# Altium PCB R2_EmberNet Pod Layout.PcbDoc (part 1 of 2)
Units mm, origin at the board's own origin, x right, y up, seen from the top; angles counter-clockwise.
Board outline 78.51 x 78.51 mm, 4 copper layers (Top Layer, Ground Layer, Power Layer, Bottom Layer), stack 0.844 mm thick; 158 components, 96 nets, 433 pads, 349 vias.
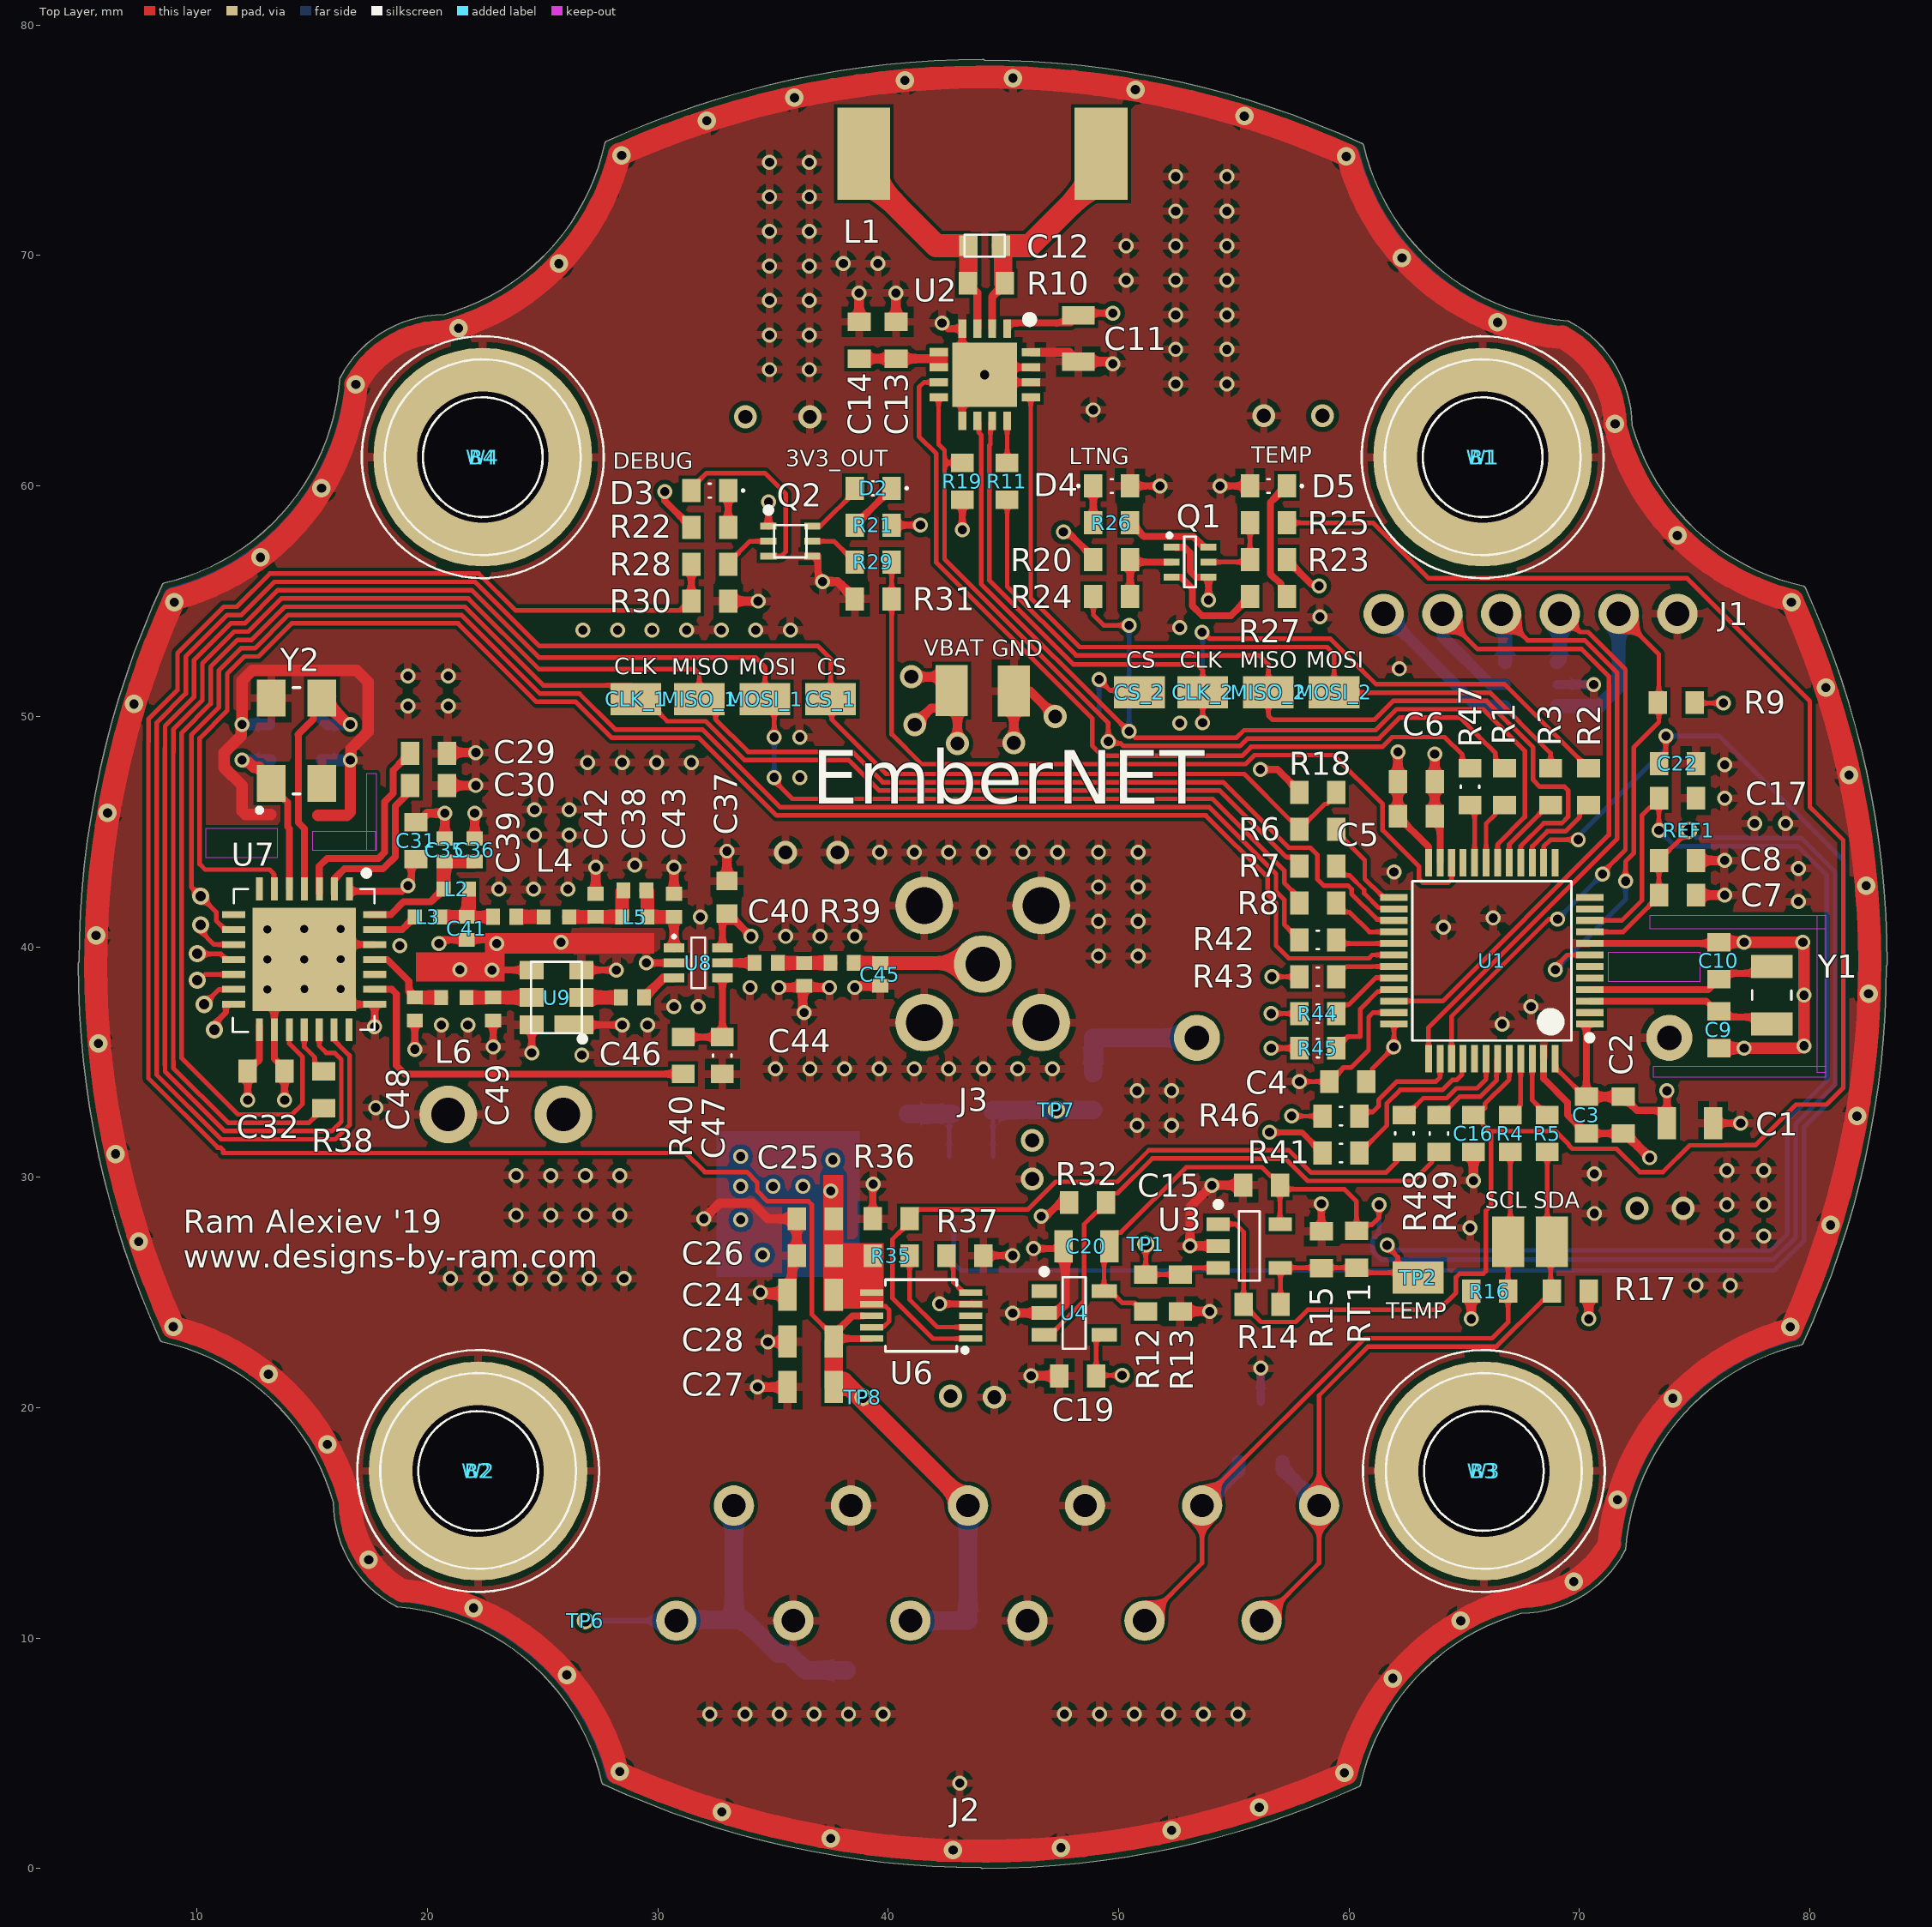
[diagram p0: Top Layer view]
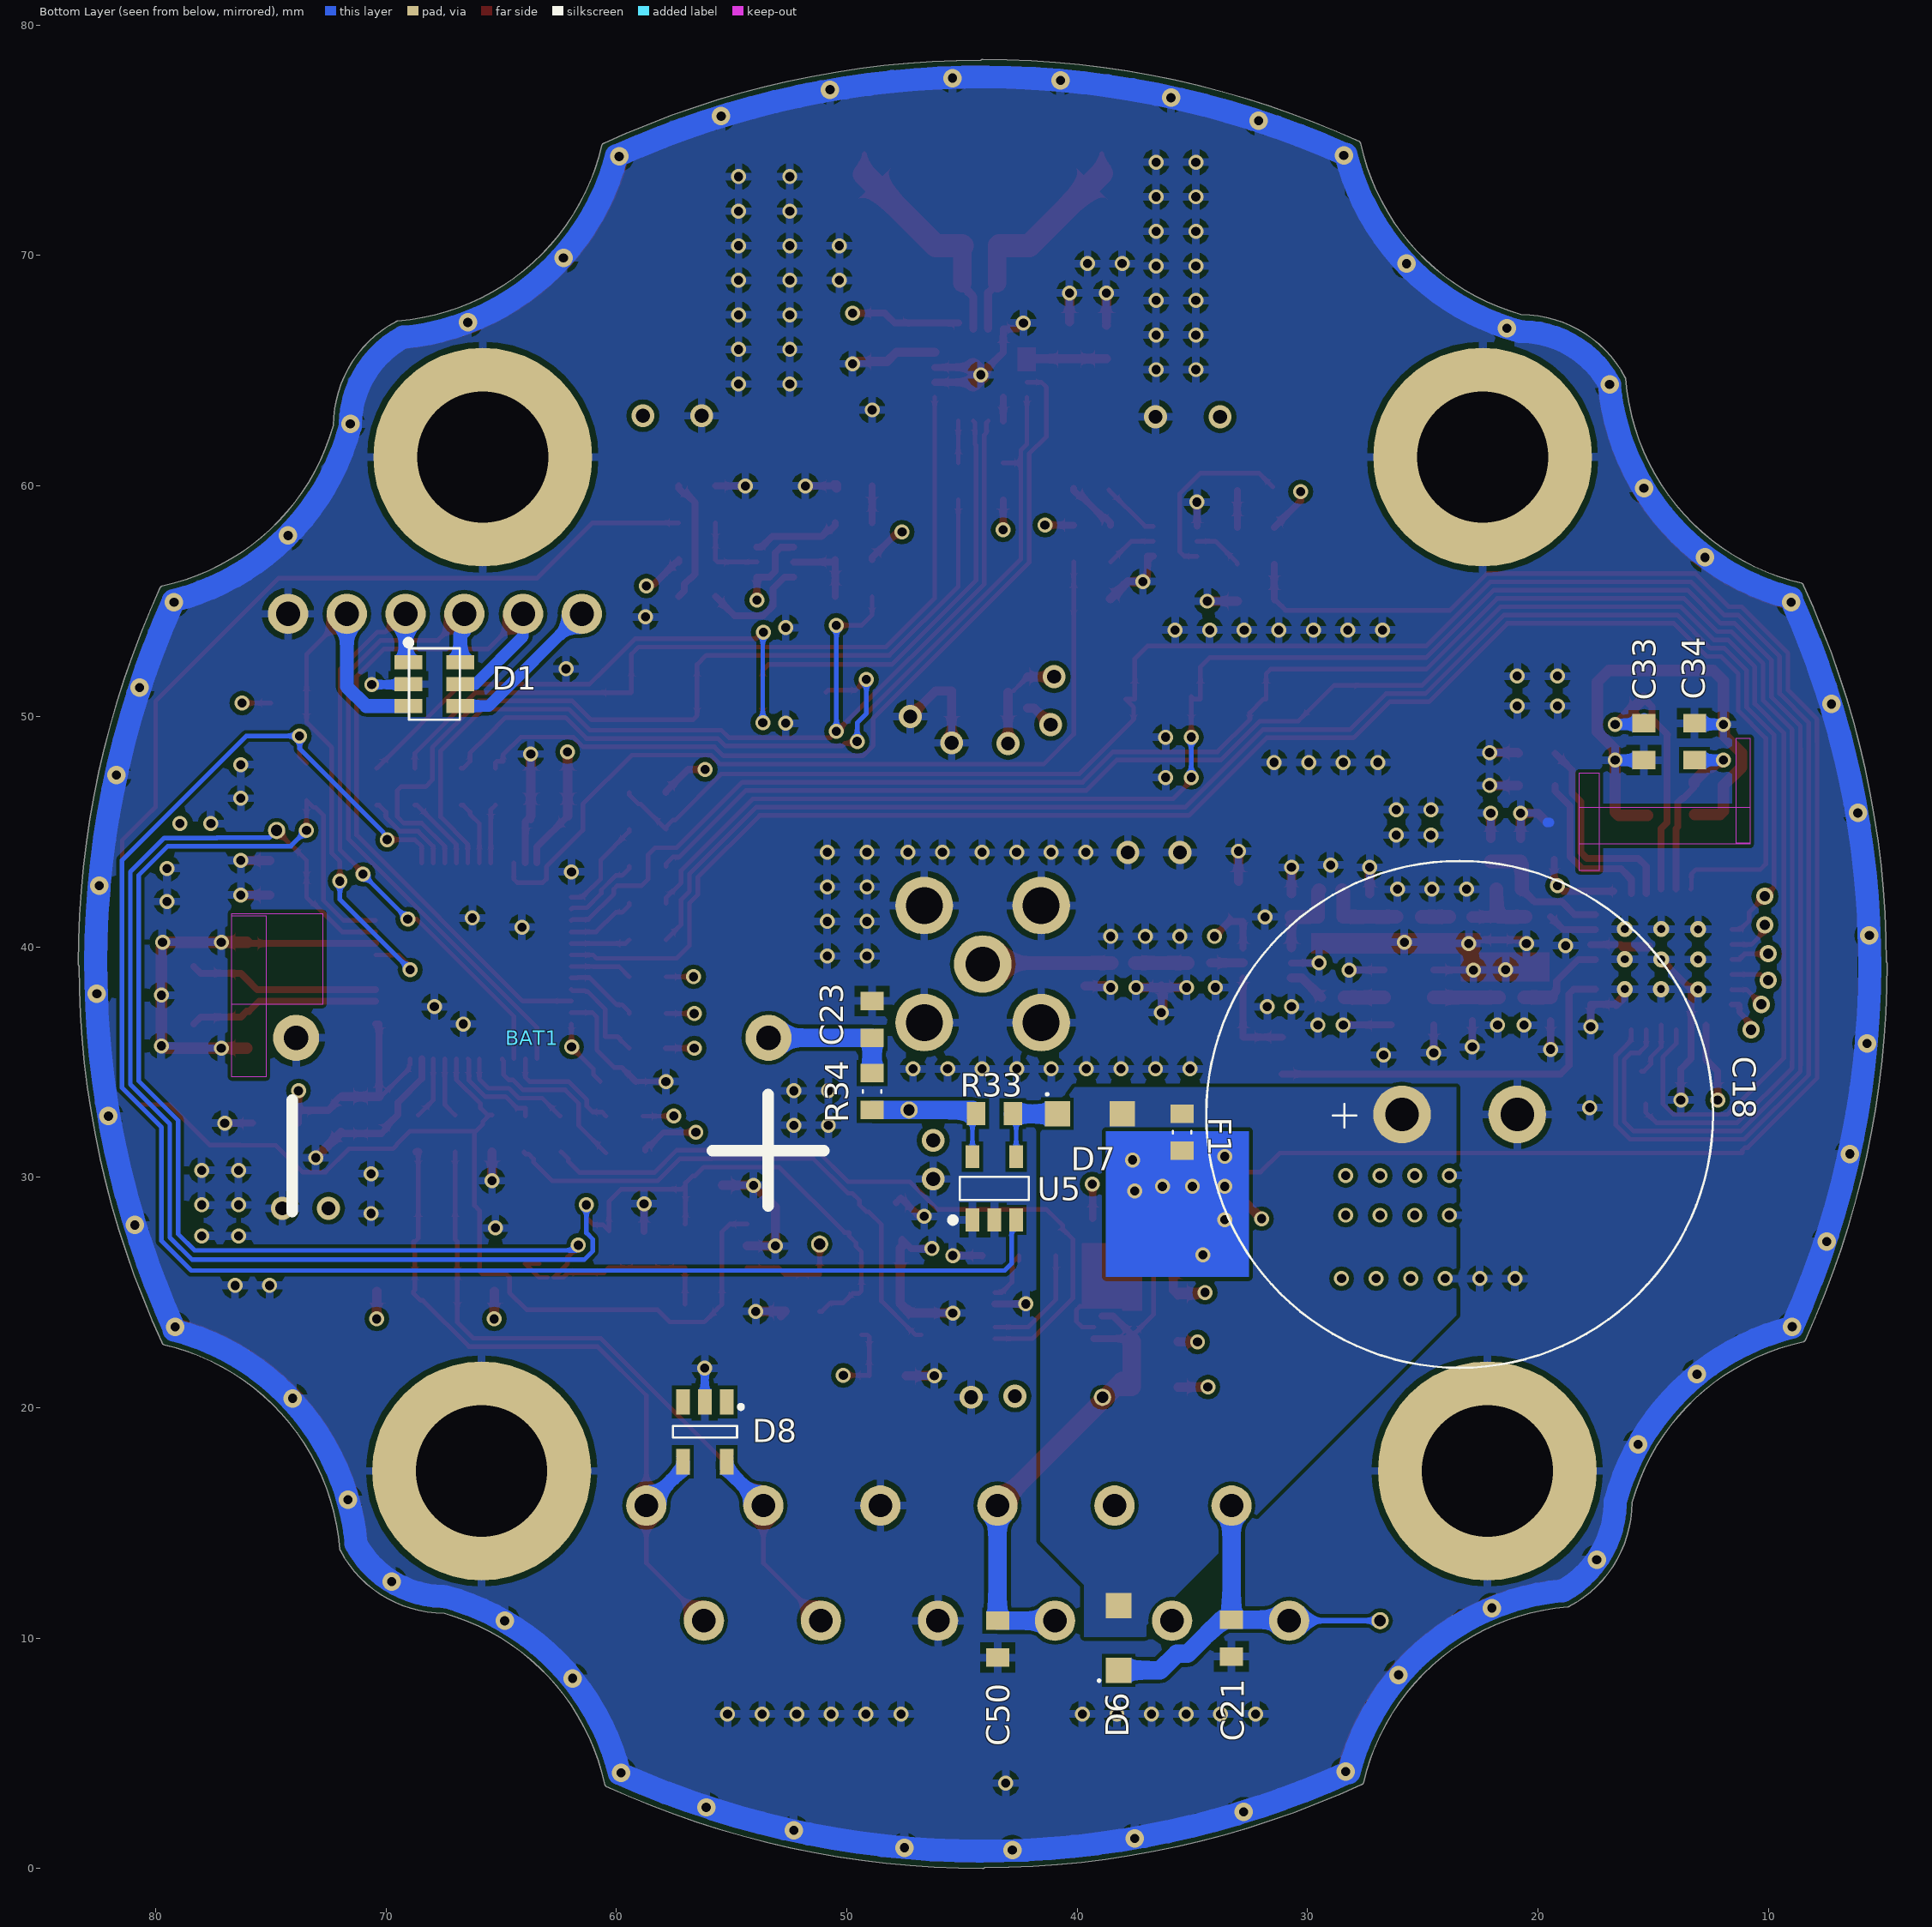
[diagram p1: Bottom Layer view, seen from below]
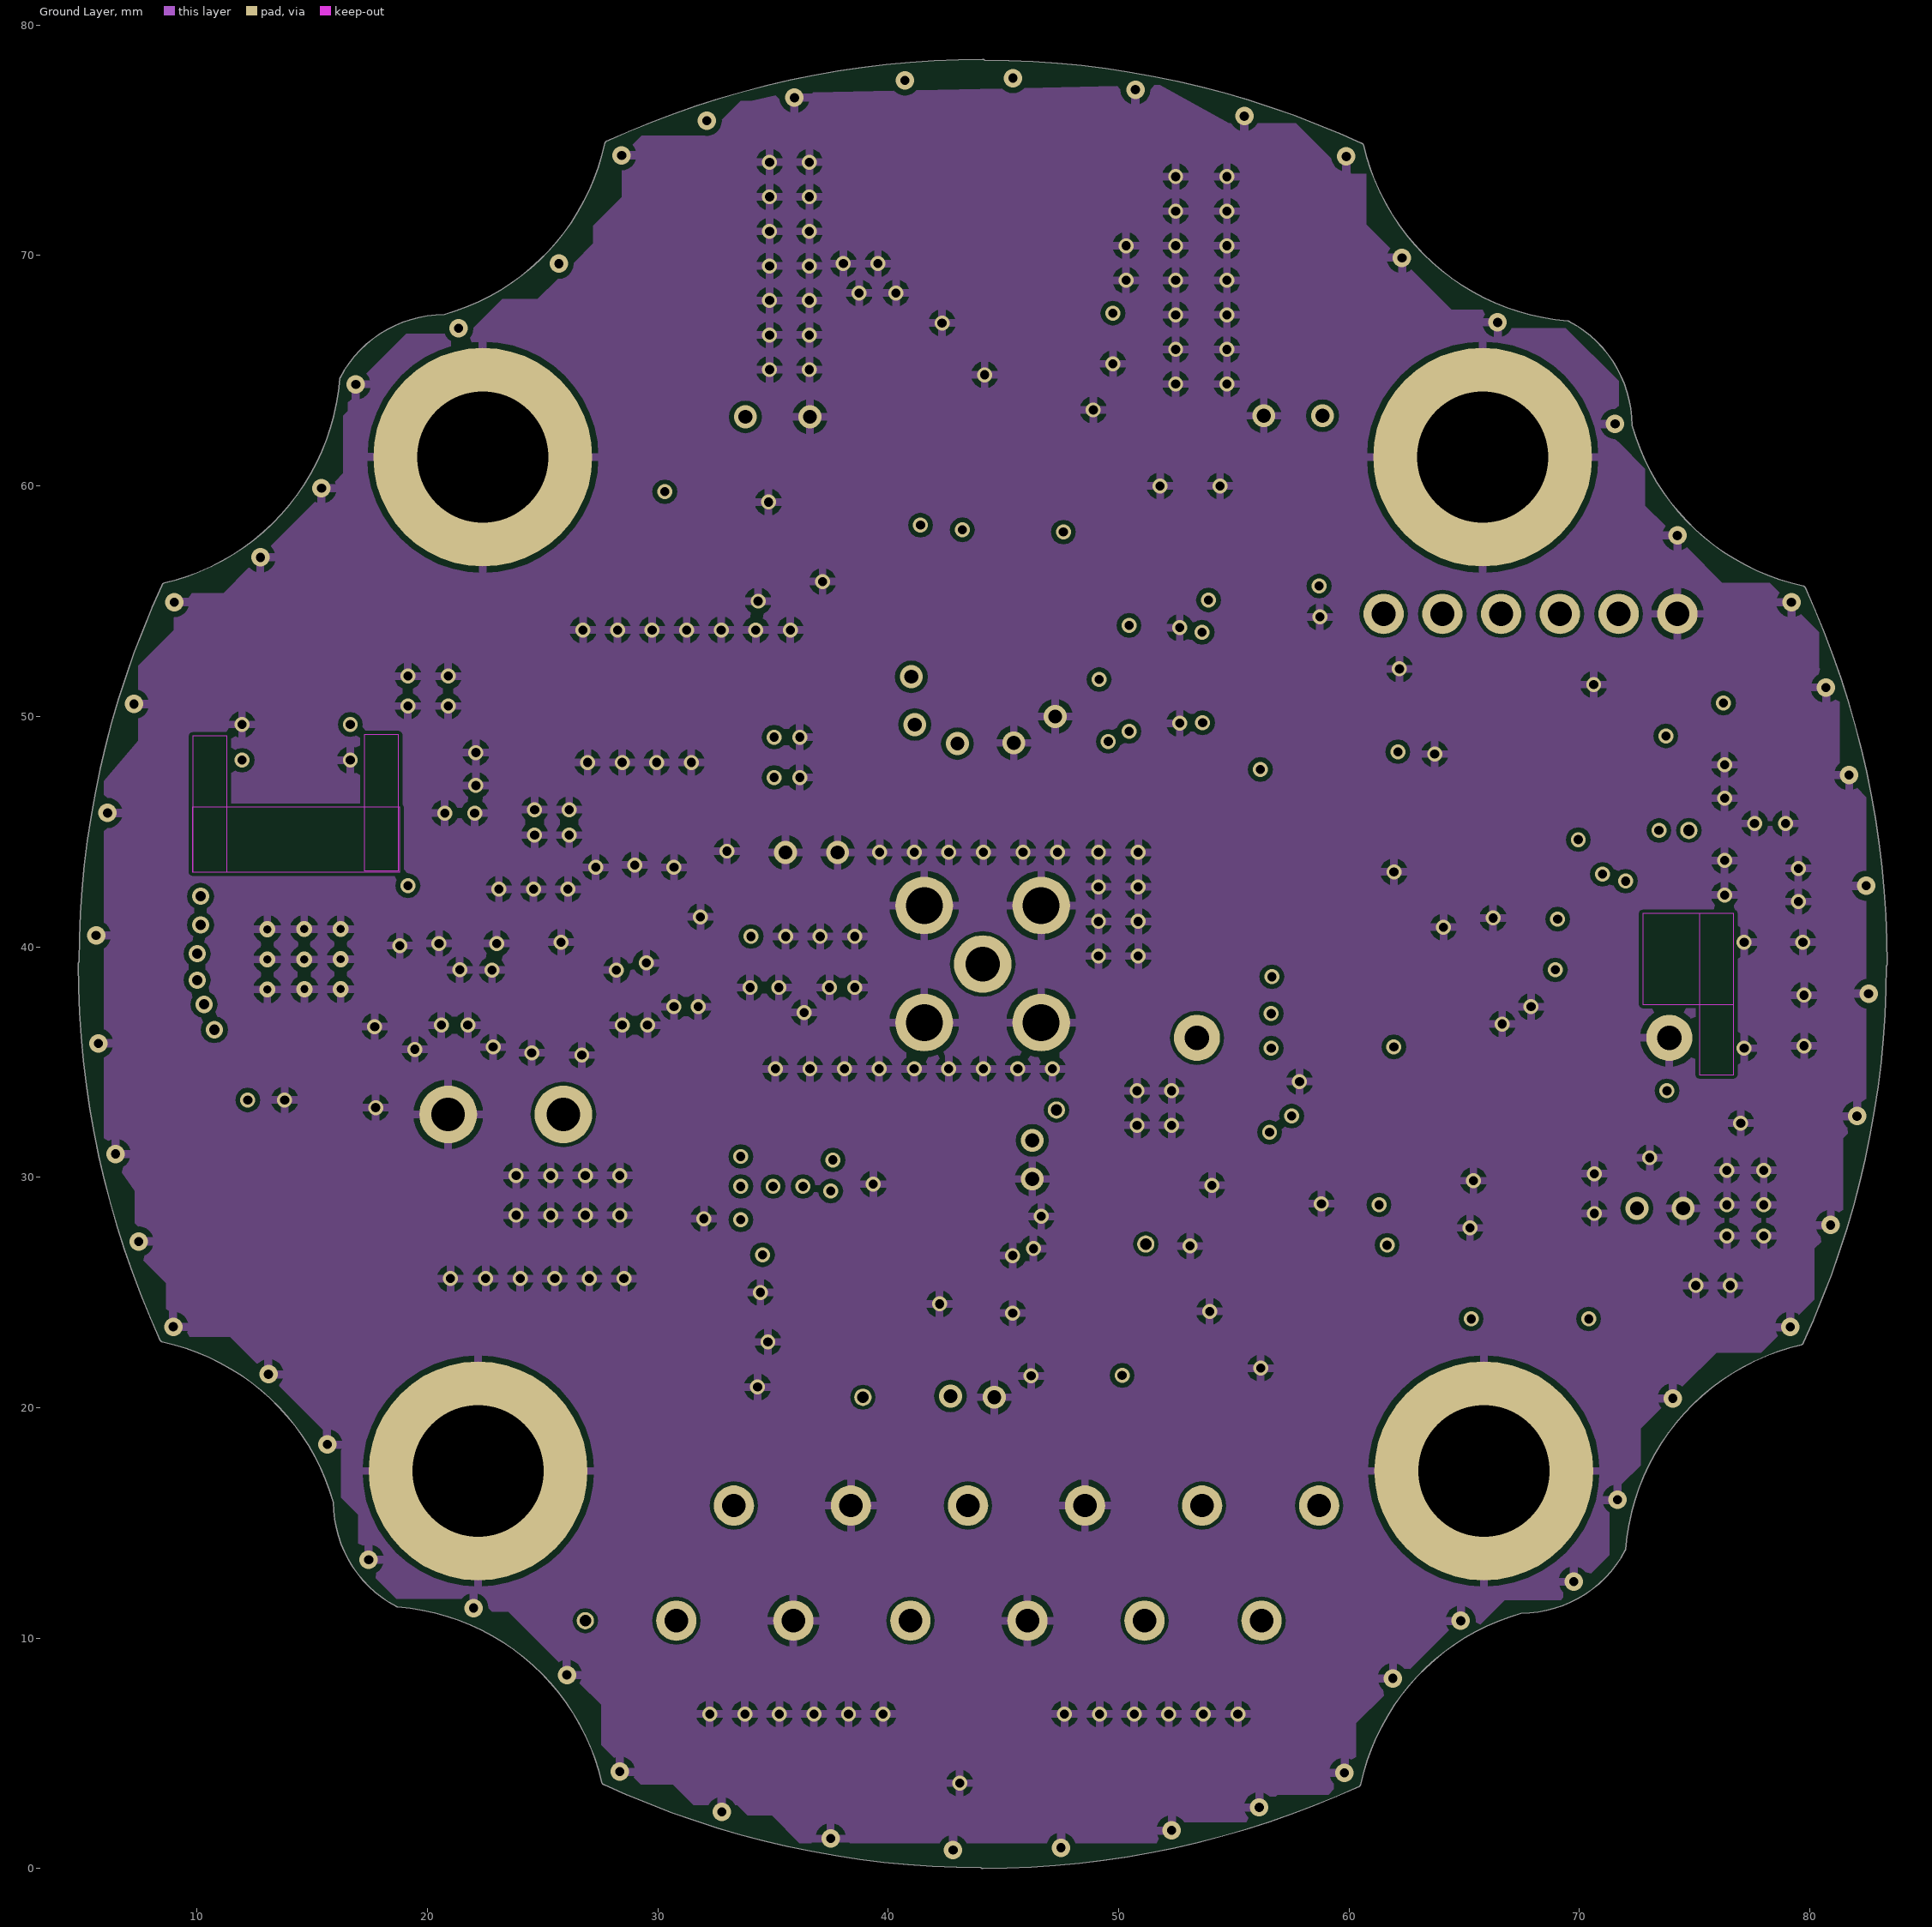
[diagram p2: Ground Layer]
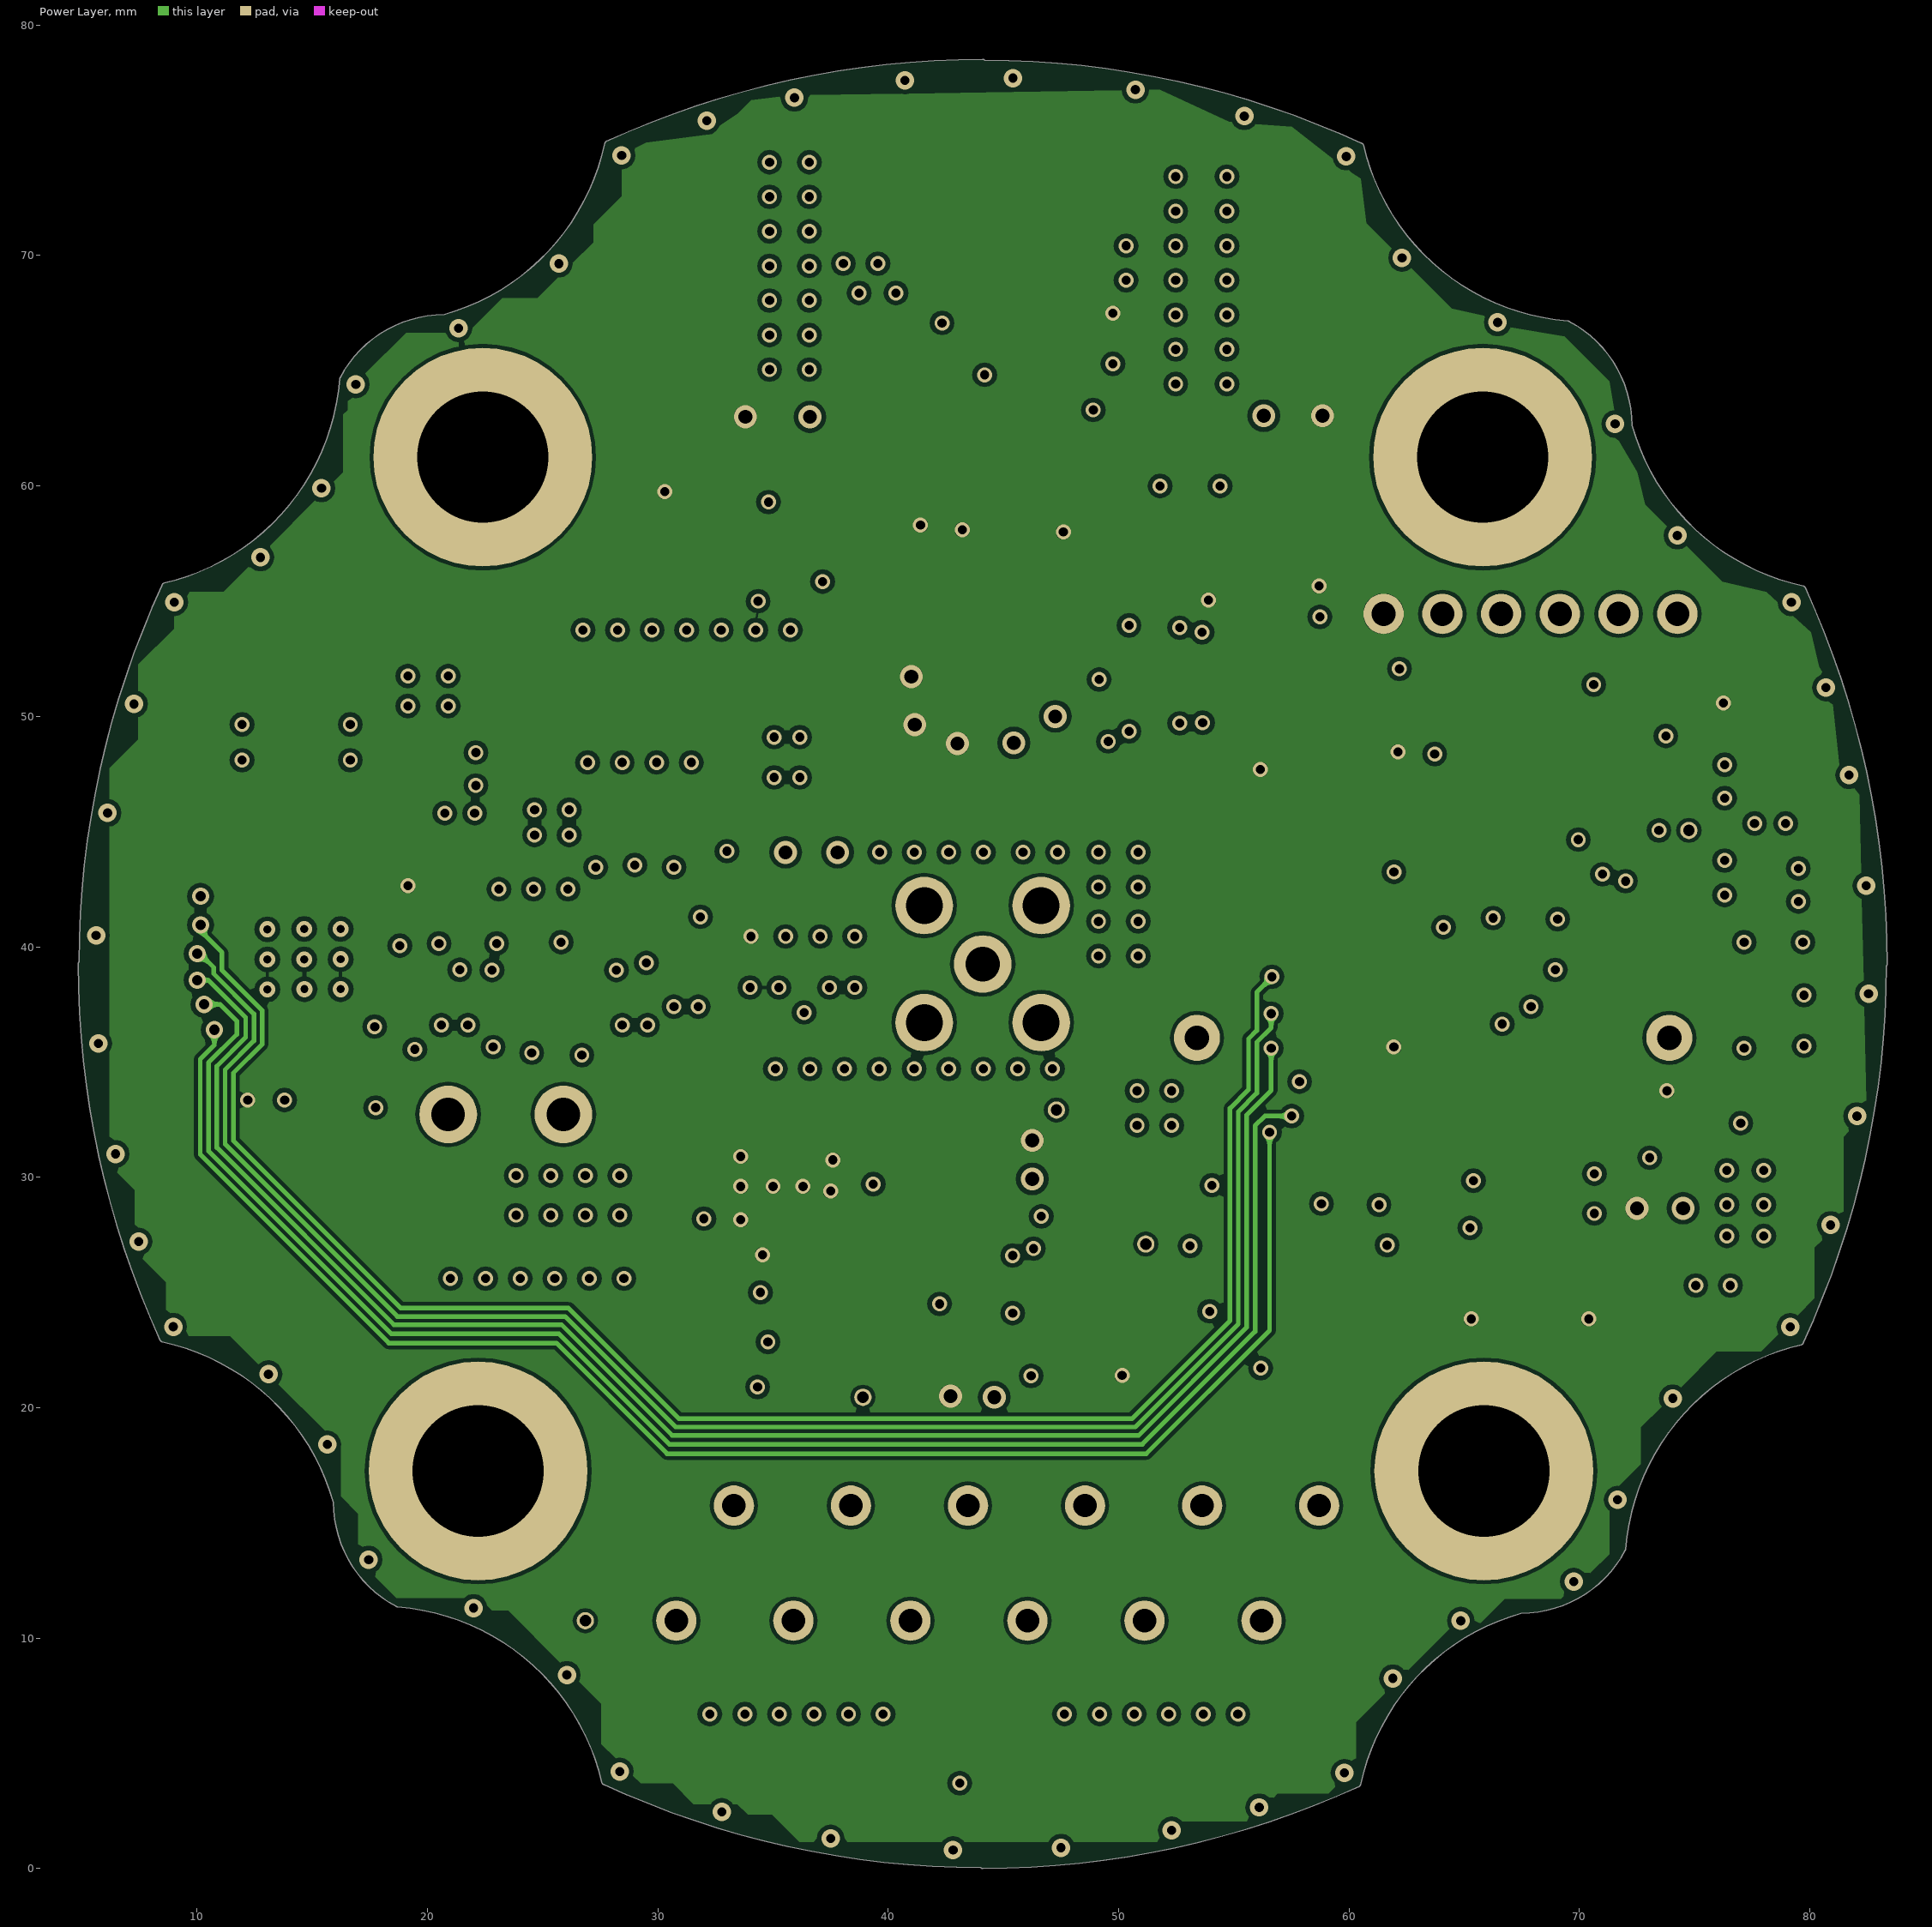
[diagram p3: Power Layer]

## Layer stack, top to bottom
Top Solder: solder mask 0.0102, Solder Resist, Dk 3.5
Top Layer: signal copper 0.0356
Dielectric 1: core 0.32, FR-4, Dk 4.8
Ground Layer: signal copper 0.036
Dielectric 4: prepreg 0.127, FR-4, Dk 4.2
Power Layer: signal copper 0.036
Dielectric 3: core 0.254, FR-4, Dk 4.2
Bottom Layer: signal copper 0.0356
Bottom Solder: solder mask 0.0102, Solder Resist, Dk 3.5

## Board outline
18.651,11.364 cw(c21.05,15.906) 15.913,15.888 ccw(c6.426,13.213) 8.492,22.852 cw(c8.518,22.976) 8.403,22.923 cw(c44.1,39.256) 4.844,39.256 cw(c4.971,39.256) 4.873,39.337 cw(c44.1,39.256) 8.475,55.677 cw(c8.602,55.663) 8.573,55.788 ccw(c6.35,65.406) 16.193,64.654 cw(c16.32,64.645) 16.208,64.705 cw(c20.75,62.306) 20.732,67.443 ccw(c18.057,76.93) 27.695,74.864 cw(c27.82,74.838) 27.767,74.953 cw(c44.1,39.256) 44.1,78.513 cw(c44.1,78.385) 44.181,78.483 cw(c44.1,39.256) 60.521,74.881 cw(c60.507,74.755) 60.631,74.783 ccw(c70.25,77.006) 69.498,67.163 cw(c69.489,67.036) 69.549,67.148 cw(c67.15,62.606) 72.287,62.624 ccw(c81.774,65.299) 79.708,55.661 cw(c79.682,55.536) 79.797,55.589 cw(c44.1,39.256) 83.356,39.256 cw(c83.229,39.256) 83.327,39.175 cw(c44.1,39.256) 79.725,22.836 cw(c79.598,22.849) 79.627,22.725 ccw(c81.85,13.106) 72.007,13.858 ccw(c81.85,13.106) 72.007,13.857 72.007,13.858 cw(c71.88,13.867) 71.992,13.807 cw(c67.45,16.206) 67.468,11.069 ccw(c70.143,1.583) 60.505,3.648 cw(c60.38,3.675) 60.433,3.559 cw(c44.1,39.256) 44.1,0 cw(c44.1,0.127) 44.019,0.029 cw(c44.1,39.256) 27.679,3.631 cw(c27.693,3.758) 27.569,3.729 ccw(c17.95,1.506) 18.702,11.349 cw(c18.711,11.477)

## Design rules (kind name [scope] priority, off if disabled: settings)
AcuteAngle [All] p1: minimum=4.50000000000000E+0001 checktracksonly=TRUE
Clearance [All] p1: gap=0.16 ignorepadtopadclearanceinfootprint=FALSE except(0: Arc-Text Track-Text THPad-Text Fill-Text Poly-Text Region-Text Text-Text; 0.1: SMDPad-Text Via-Text Text-Hole; 0.2: Arc-Via Track-Via SMDPad-Via THPad-Via Via-Via Via-Fill Via-Poly Via-Region Via-Hole)
HoleSize [All] p1: absolutevalues=TRUE maxlimit=8.5 minlimit=0.025 maxpercent=80.000 minpercent=20.000
MinimumSolderMaskSliver [All] p1: minsoldermaskwidth=0.01
PolygonConnect PolygonConnect_1 [InNet('NetC18_1')] p1: connectstyle=Direct reliefconductorwidth=0.254 reliefentries=4 polygonreliefangle="90 Angle" airgapwidth=0.254
PolygonConnect [InNet('GND')] p2: connectstyle=Relief reliefconductorwidth=0.35 reliefentries=4 polygonreliefangle="90 Angle" airgapwidth=0.254
RoutingVias [All] p1: holewidth=0.711 width=1.27 viastyle="Through Hole" minholewidth=0.711 minwidth=1.27 maxholewidth=0.711 maxwidth=1.27
SilkToSilkClearance [All] p1: silktosilkclearance=0
SilkToSolderMaskClearance [IsPad] p1: minsilkscreentomaskgap=0 clearancetoexposedcopper=TRUE
SolderMaskExpansion [All] p1: expansion=0.102 useseparateexpansions=TRUE expansionbottom=0.102
Width [All] p1: maxlimit=1 minlimit=0.2 preferedwidth=0.2 minimp=50.000000 maximp=50.000000 favimp=50.000000
26 further rules are at their usual default settings.

## Classes and differential pairs
component class R2_Sensors_TempLightning: C11 C12 C13 C14 C15 C16 C17 L1 R10 R11 R12 R13 R14 R15 RT1 TP1 TP2 U2 U3
component class "R2_Power Stage": BAT1 C18 C19 C20 C21 C22 C23 C24 C25 C26 C27 C28 C50 D6 D7 D8 F1 GND J2 R32 R33 R34 R35 R36 R37 REF1 TP6 TP7 TP8 U4 U5 U6 VBAT
component class "R2_Microcontroller Interface": C1 C2 C3 C4 C5 C6 C7 C8 C9 C10 D1 J1 R1 R2 R3 R4 R5 R6 R7 R8 R9 R41 R42 R43 R44 R45 R46 R47 R48 R49 U1 Y1
component class "R2_LoRa Transceiver": C29 C30 C31 C32 C33 C34 C35 C36 C37 C38 C39 C40 C41 C42 C43 C44 C45 C46 C47 C48 C49 J3 L2 L3 L4 L5 L6 R38 R39 R40 U7 U8 U9 Y2
component class R2_Debug: B1 B2 B3 B4 CLK_1 CLK_2 CS_1 CS_2 D2 D3 D4 D5 MISO_1 MISO_2 MOSI_1 MOSI_2 Q1 Q2 R16 R17 R18 R19 R20 R21 R22 R23 R24 R25 R26 R27 R28 R29 R30 R31 SCL SDA W1 W2 W3 W4
